# KiCad board Block.kicad_pcb
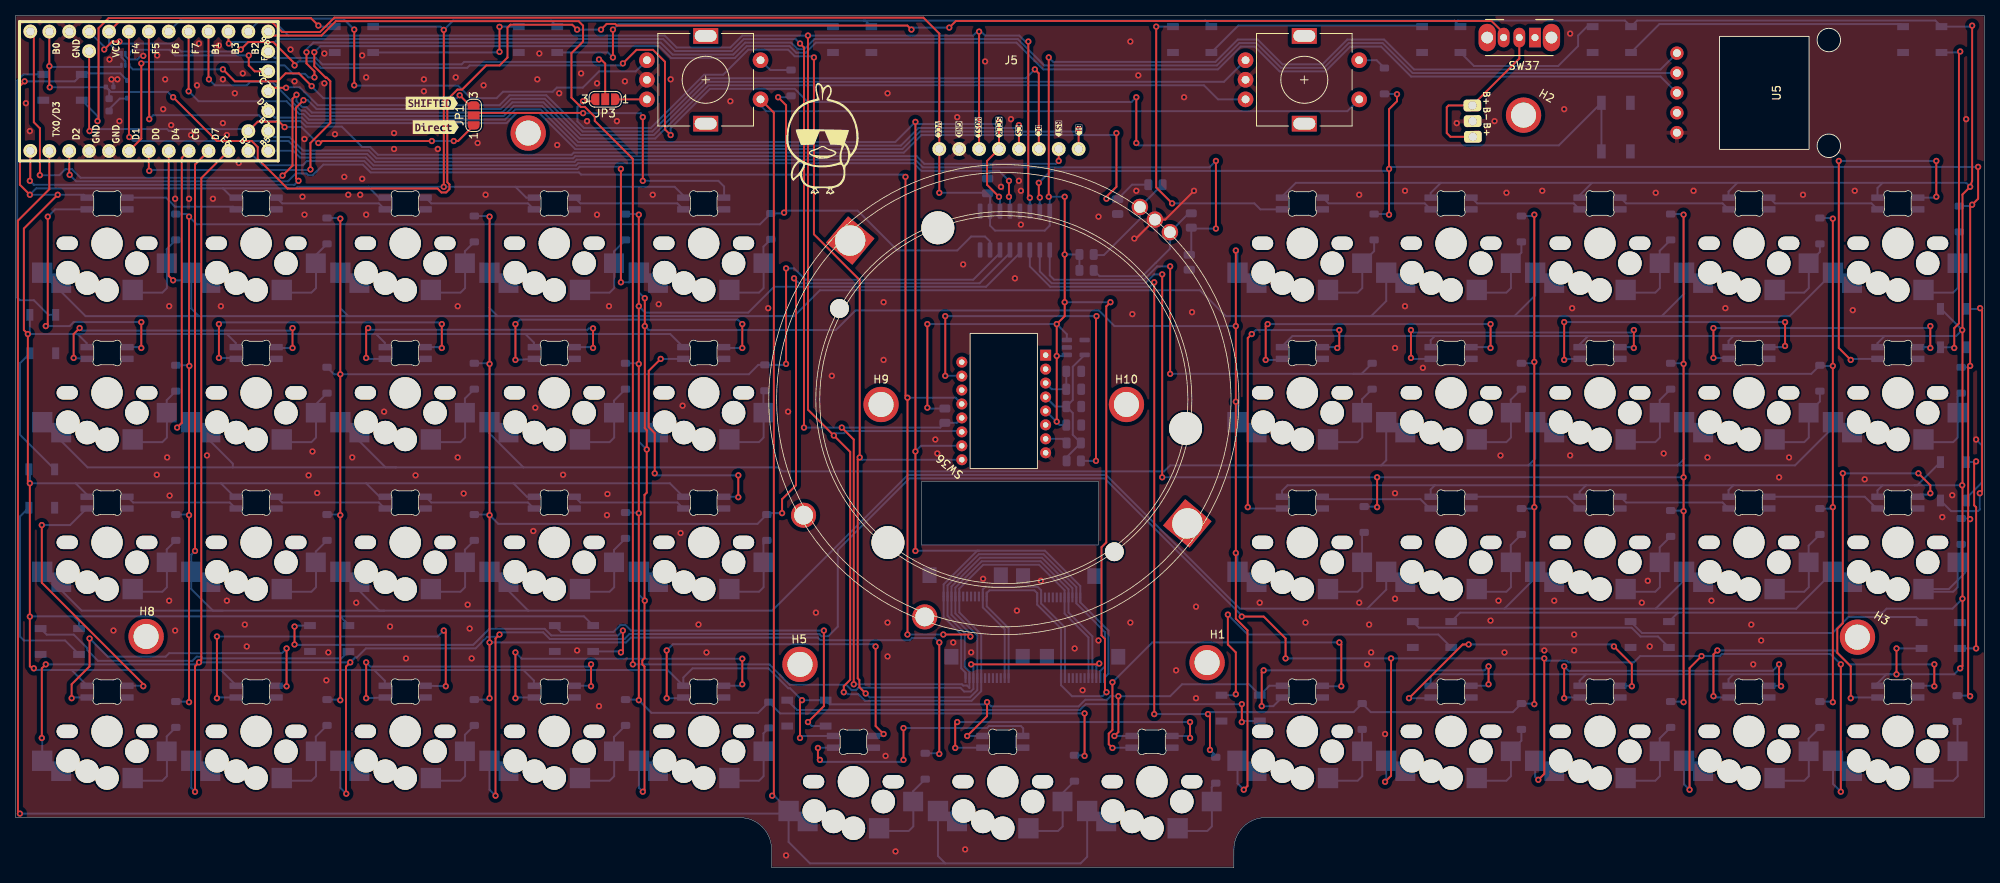
[diagram p0: board, top side]
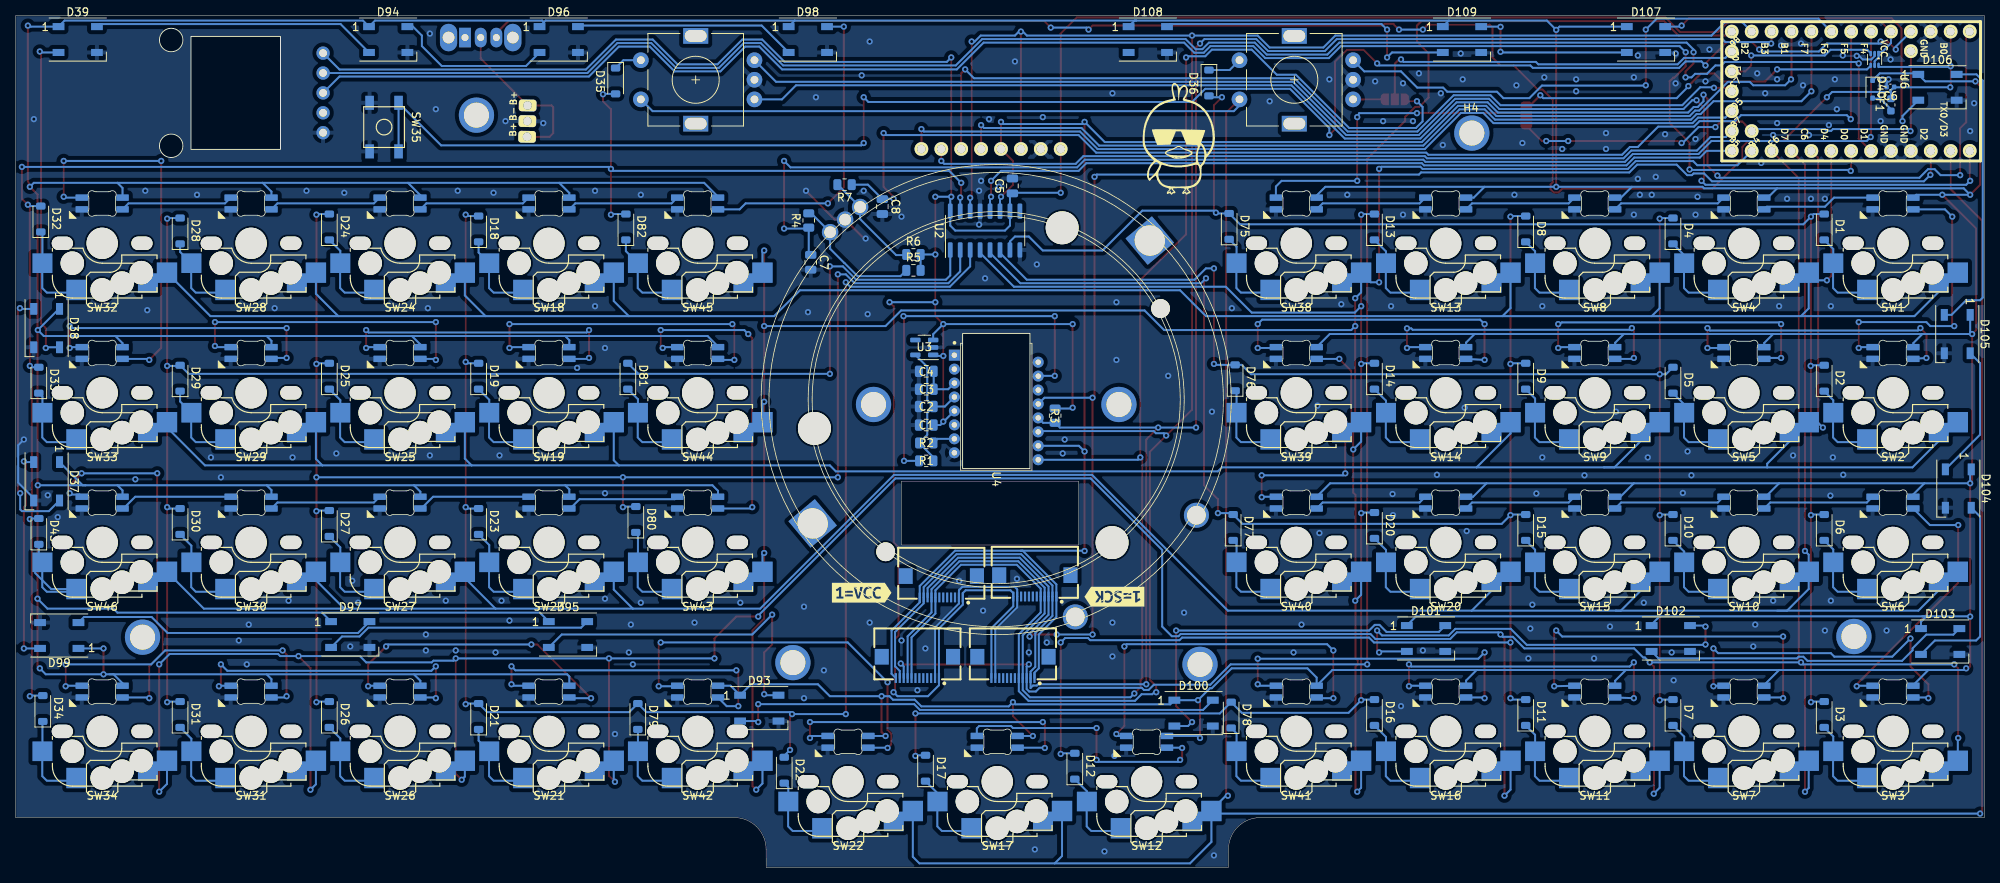
[diagram p1: board, bottom side, seen from below]

Outline 251.27 x 108.71 mm; copper layers: Top, Bottom. Coordinates in mm from the lower left corner of the outline.
Outline path: 0,108.71 251.27,108.71 251.27,6.35 159.54,6.35 arc(156.68,5.16) 155.49,2.29 155.48,0 96.48,0 96.47,2.29 arc(95.29,5.16) 92.42,6.35 0,6.35 0,108.71 ; 115.6,49.28 138.21,49.28 138.21,41.15 115.6,41.15 115.6,49.28
Stack: Top 0.035mm / dielectric 1.51mm FR4 er 4.5 / Bottom 0.035mm

## Placement (name value [footprint] x y rotation side)
C1  0.1uF  [C_0805_2012Metric]  135.05 56.46 0 bottom
C2  1uF  [C_0805_2012Metric]  135.05 58.82 0 bottom
C3  4.7uF  [C_0805_2012Metric]  135.05 61.03 0 bottom
C4  0.1uF  [C_0805_2012Metric]  135.05 63.31 180 bottom
C5  0.1uF  [C_0805_2012Metric]  124.05 86.98 90 bottom
C6  4u7  [C_0402_1005Metric]  11.99 99.61 0 bottom
C7  0.1uF  [C_0805_2012Metric]  149.79 77.23 270 bottom
C8  0.1uF  [C_0805_2012Metric]  140.65 84.35 270 bottom
D1  1N4148  [D_SOD-123-rotated]  20.46 81.79 270 bottom
D2  1N4148  [D_SOD-123-rotated]  20.46 62.48 270 bottom
D3  1N4148  [D_SOD-123-rotated]  20.46 19.56 270 bottom
D4  1N4148  [D_SOD-123-rotated]  39.76 81.28 270 bottom
D5  1N4148  [D_SOD-123-rotated]  39.76 62.23 270 bottom
D6  1N4148  [D_SOD-123-rotated]  20.46 43.43 270 bottom
D7  1N4148  [D_SOD-123-rotated]  39.76 19.81 270 bottom
D8  1N4148  [D_SOD-123-rotated]  58.56 81.53 270 bottom
D9  1N4148  [D_SOD-123-rotated]  58.56 62.74 270 bottom
D10  1N4148  [D_SOD-123-rotated]  39.76 43.43 270 bottom
D11  1N4148  [D_SOD-123-rotated]  58.56 19.81 270 bottom
D12  1N4148  [D_SOD-123-rotated]  116.11 12.95 270 bottom
D13  1N4148  [D_SOD-123-rotated]  77.86 81.79 270 bottom
D14  1N4148  [D_SOD-123-rotated]  77.86 62.74 270 bottom
D15  1N4148  [D_SOD-123-rotated]  58.56 43.43 270 bottom
D16  1N4148  [D_SOD-123-rotated]  77.86 19.81 270 bottom
D17  1N4148  [D_SOD-123-rotated]  135.16 12.7 270 bottom
D18  1N4148  [D_SOD-123-rotated]  192.2 81.53 270 bottom
D19  1N4148  [D_SOD-123-rotated]  192.2 62.74 270 bottom
D20  1N4148  [D_SOD-123-rotated]  77.86 43.69 270 bottom
D21  1N4148  [D_SOD-123-rotated]  192.2 19.3 270 bottom
D22  1N4148  [D_SOD-123-rotated]  153.19 12.45 270 bottom
D23  1N4148  [D_SOD-123-rotated]  192.2 44.2 270 bottom
D24  1N4148  [D_SOD-123-rotated]  211.25 81.79 270 bottom
D25  1N4148  [D_SOD-123-rotated]  211.25 62.74 270 bottom
D26  1N4148  [D_SOD-123-rotated]  211.25 19.56 270 bottom
D27  1N4148  [D_SOD-123-rotated]  211.25 43.94 270 bottom
D28  1N4148  [D_SOD-123-rotated]  230.3 81.28 270 bottom
D29  1N4148  [D_SOD-123-rotated]  230.3 62.48 270 bottom
D30  1N4148  [D_SOD-123-rotated]  230.3 44.2 270 bottom
D31  1N4148  [D_SOD-123-rotated]  230.3 19.56 270 bottom
D32  1N4148  [D_SOD-123-rotated]  248.08 82.8 270 bottom
D33  1N4148  [D_SOD-123-rotated]  248.34 62.23 270 bottom
D34  1N4148  [D_SOD-123-rotated]  247.83 20.32 270 bottom
D35  1N4148  [D_SOD-123-rotated]  174.68 100.33 90 bottom
D36  1N4148  [D_SOD-123-rotated]  98.94 100.08 90 bottom
D37  WS2812B  [LED_WS2812B_PLCC4_5.0x5.0mm_P3.2mm]  247.32 49.28 270 bottom
D38  WS2812B  [LED_WS2812B_PLCC4_5.0x5.0mm_P3.2mm]  247.32 68.83 270 bottom
D39  WS2812B  [LED_WS2812B_PLCC4_5.0x5.0mm_P3.2mm]  243.35 105.66 180 bottom
D40  B5817WS  [D_SOD-323]  14.26 99.31 270 bottom
D41  SK6812MINI-E  [MX_SK6812MINI-E_REV]  68.75 17.35 180 top
D42  SK6812MINI-E  [MX_SK6812MINI-E_REV]  202.22 41.47 180 top
D43  1N4148  [D_SOD-123-rotated]  248.34 42.93 270 bottom
D44  SK6812MINI-E  [MX_SK6812MINI-E_REV]  221.22 60.57 180 top
D45  SK6812MINI-E  [MX_SK6812MINI-E_REV]  183.21 17.35 180 top
D46  SK6812MINI-E  [MX_SK6812MINI-E_REV]  87.82 79.66 180 top
D47  SK6812MINI-E  [MX_SK6812MINI-E_REV]  30.69 60.57 180 top
D48  SK6812MINI-E  [MX_SK6812MINI-E_REV]  49.72 41.47 180 top
D49  SK6812MINI-E  [MX_SK6812MINI-E_REV]  183.21 41.47 180 top
D50  SK6812MINI-E  [MX_SK6812MINI-E_REV]  240.23 60.57 180 top
D51  SK6812MINI-E  [MX_SK6812MINI-E_REV]  202.22 17.35 180 top
D52  SK6812MINI-E  [MX_SK6812MINI-E_REV]  87.82 17.35 180 top
D53  SK6812MINI-E  [MX_SK6812MINI-E_REV]  68.75 79.66 180 top
D54  SK6812MINI-E  [MX_SK6812MINI-E_REV]  49.72 60.57 180 top
D55  SK6812MINI-E  [MX_SK6812MINI-E_REV]  30.69 41.47 180 top
D56  SK6812MINI-E  [MX_SK6812MINI-E_REV]  164.23 41.47 180 top
D57  SK6812MINI-E  [MX_SK6812MINI-E_REV]  240.23 79.66 180 top
D58  SK6812MINI-E  [MX_SK6812MINI-E_REV]  221.22 17.35 180 top
D59  SK6812MINI-E  [MX_SK6812MINI-E_REV]  106.93 10.94 180 top
D60  SK6812MINI-E  [MX_SK6812MINI-E_REV]  49.72 79.66 180 top
D61  SK6812MINI-E  [MX_SK6812MINI-E_REV]  68.75 60.57 180 top
D62  SK6812MINI-E  [MX_SK6812MINI-E_REV]  11.66 41.47 180 top
D63  SK6812MINI-E  [MX_SK6812MINI-E_REV]  164.23 60.57 180 top
D64  SK6812MINI-E  [MX_SK6812MINI-E_REV]  221.22 79.66 180 top
D65  SK6812MINI-E  [MX_SK6812MINI-E_REV]  240.23 17.35 180 top
D66  SK6812MINI-E  [MX_SK6812MINI-E_REV]  125.99 10.94 180 top
D67  SK6812MINI-E  [MX_SK6812MINI-E_REV]  30.69 79.66 180 top
D68  SK6812MINI-E  [MX_SK6812MINI-E_REV]  87.82 60.57 180 top
D69  SK6812MINI-E  [MX_SK6812MINI-E_REV]  11.66 17.35 180 top
D70  SK6812MINI-E  [MX_SK6812MINI-E_REV]  183.21 60.57 180 top
D71  SK6812MINI-E  [MX_SK6812MINI-E_REV]  202.22 79.66 180 top
D72  SK6812MINI-E  [MX_SK6812MINI-E_REV]  240.23 41.47 180 top
D73  SK6812MINI-E  [MX_SK6812MINI-E_REV]  145.04 10.94 180 top
D74  SK6812MINI-E  [MX_SK6812MINI-E_REV]  11.66 79.66 180 top
D75  1N4148  [D_SOD-123-rotated]  96.41 81.87 270 bottom
D76  1N4148  [D_SOD-123-rotated]  95.64 62.54 270 bottom
D77  1N4148  [D_SOD-123-rotated]  95.9 43.43 270 bottom
D78  1N4148  [D_SOD-123-rotated]  96.15 19.49 270 bottom
D79  1N4148  [D_SOD-123-rotated]  171.88 19.3 270 bottom
D80  1N4148  [D_SOD-123-rotated]  172.14 44.45 270 bottom
D81  1N4148  [D_SOD-123-rotated]  173.15 62.74 270 bottom
D82  1N4148  [D_SOD-123-rotated]  173.41 81.79 270 bottom
D83  SK6812MINI-E  [MX_SK6812MINI-E_REV]  87.82 41.47 180 top
D84  SK6812MINI-E  [MX_SK6812MINI-E_REV]  30.69 17.35 180 top
D85  SK6812MINI-E  [MX_SK6812MINI-E_REV]  49.72 17.35 180 top
D86  SK6812MINI-E  [MX_SK6812MINI-E_REV]  202.22 60.57 180 top
D87  SK6812MINI-E  [MX_SK6812MINI-E_REV]  183.21 79.66 180 top
D88  SK6812MINI-E  [MX_SK6812MINI-E_REV]  221.22 41.47 180 top
D89  SK6812MINI-E  [MX_SK6812MINI-E_REV]  164.23 17.35 180 top
D90  SK6812MINI-E  [MX_SK6812MINI-E_REV]  11.66 60.57 180 top
D91  SK6812MINI-E  [MX_SK6812MINI-E_REV]  68.75 41.47 180 top
D92  SK6812MINI-E  [MX_SK6812MINI-E_REV]  164.23 79.66 180 top
D93  WS2812B  [LED_WS2812B_PLCC4_5.0x5.0mm_P3.2mm]  156.36 20.32 180 bottom
D94  WS2812B  [LED_WS2812B_PLCC4_5.0x5.0mm_P3.2mm]  203.72 105.66 180 bottom
D95  WS2812B  [LED_WS2812B_PLCC4_5.0x5.0mm_P3.2mm]  180.77 29.72 180 bottom
D96  WS2812B  [LED_WS2812B_PLCC4_5.0x5.0mm_P3.2mm]  181.95 105.66 180 bottom
D97  WS2812B  [LED_WS2812B_PLCC4_5.0x5.0mm_P3.2mm]  208.57 29.72 180 bottom
D98  WS2812B  [LED_WS2812B_PLCC4_5.0x5.0mm_P3.2mm]  150.16 105.66 180 bottom
D99  WS2812B  [LED_WS2812B_PLCC4_5.0x5.0mm_P3.2mm]  245.71 29.59 0 bottom
D100  WS2812B  [LED_WS2812B_PLCC4_5.0x5.0mm_P3.2mm]  100.93 19.68 180 bottom
D101  WS2812B  [LED_WS2812B_PLCC4_5.0x5.0mm_P3.2mm]  71.26 29.21 180 bottom
D102  WS2812B  [LED_WS2812B_PLCC4_5.0x5.0mm_P3.2mm]  40.02 29.21 180 bottom
D103  WS2812B  [LED_WS2812B_PLCC4_5.0x5.0mm_P3.2mm]  5.64 28.83 180 bottom
D104  WS2812B  [LED_WS2812B_PLCC4_5.0x5.0mm_P3.2mm]  3.32 48.35 270 bottom
D105  WS2812B  [LED_WS2812B_PLCC4_5.0x5.0mm_P3.2mm]  3.46 68.07 270 bottom
D106  WS2812B  [LED_WS2812B_PLCC4_5.0x5.0mm_P3.2mm]  5.98 99.57 180 bottom
D107  WS2812B  [LED_WS2812B_PLCC4_5.0x5.0mm_P3.2mm]  43.18 105.66 180 bottom
D108  WS2812B  [LED_WS2812B_PLCC4_5.0x5.0mm_P3.2mm]  106.77 105.66 180 bottom
D109  WS2812B  [LED_WS2812B_PLCC4_5.0x5.0mm_P3.2mm]  66.67 105.66 180 bottom
F1  500mA  [Fuse_0603_1608Metric]  11.93 97.32 90 bottom
G1  -  [LOGO]  102.9 91.69 0 top
G***  -  [LOGO]  102.9 91.69 180 bottom
H1  MountingHole_Pad  [MountingHole_M3]  152.07 26.13 1 top
H2  MountingHole_Pad  [MountingHole_M3]  192.46 96.01 331 top
H3  MountingHole_Pad  [MountingHole_M3#2]  235.13 29.46 329 top
H4  MountingHole_Pad  [MountingHole_M3]  65.42 93.73 358 top
H5  MountingHole_Pad  [MountingHole_M3]  100.11 25.91 2 top
H8  MountingHole_Pad  [MountingHole_M3]  16.65 29.46 358 top
H9  MountingHole_Pad  [MountingHole_M3]  110.46 59.08 0 top
H10  MountingHole_Pad  [MountingHole_M3]  141.78 59.08 0 top
J1  Conn_01x12_Female  [FPC-SMD_FPC05012-09200-.5mm-rev]  133.13 35.81 0 bottom
J2  Conn_01x12_Female  [FPC-SMD_FPC05012-09200-.5mm-rev]  121.19 35.93 0 bottom
J3  Conn_01x12_Female  [FPC-SMD_FPC05012-09200-.5mm-rev]  136.18 25.52 0 bottom
J4  Conn_01x08_Female  [3JST_BAT]  185.96 95.25 91 top
J5  Conn_01x08_Female  [Screen Dupont]  126.98 91.98 0 top
J6  Conn_01x12_Female  [FPC-SMD_FPC05012-09200-.5mm-rev]  123.98 25.52 0 bottom
JP1  SolderJumper_3_Open  [SolderJumper-3_P1.3mm_Open_RoundedPad1.0x1.5mm_NumberLabels]  58.45 95.98 90 top
JP3  SolderJumper_3_Open  [SolderJumper-3_P1.3mm_Open_RoundedPad1.0x1.5mm_NumberLabels]  75.25 98.04 180 top
kibuzzard-63B827BA  G***  [kibuzzard-63B827BA]  53.12 97.54 0 top
kibuzzard-63B8279E  G***  [kibuzzard-63B8279E]  53.63 94.49 0 top
kibuzzard-638CDE9C  G***  [kibuzzard-638CDE9C]  143.29 35.05 180 bottom
kibuzzard-638CDF14  G***  [kibuzzard-638CDF14]  111.03 34.54 0 bottom
R1  39  [R_0805_2012Metric]  135.05 51.88 0 bottom
R2  10K  [R_0805_2012Metric]  135.05 54.17 0 bottom
R3  10K  [R_0805_2012Metric]  118.6 57.65 90 bottom
R4  10K  [R_0805_2012Metric]  150.05 82.57 90 bottom
R5  10K  [R_0805_2012Metric]  136.68 76.2 180 bottom
R6  10K  [R_0805_2012Metric]  136.68 78.23 180 bottom
R7  10K  [R_0805_2012Metric]  145.48 87.14 0 bottom
SW1  SW_Push  [Kailh_hotswap_only_MX-CHOC]  11.66 79.66 180 top
SW2  SW_Push  [Kailh_hotswap_only_MX-CHOC]  11.66 60.57 180 top
SW3  SW_Push  [Kailh_hotswap_only_MX-CHOC]  11.66 17.35 180 top
SW4  SW_Push  [Kailh_hotswap_only_MX-CHOC]  30.69 79.66 180 top
SW5  SW_Push  [Kailh_hotswap_only_MX-CHOC]  30.69 60.57 180 top
SW6  SW_Push  [Kailh_hotswap_only_MX-CHOC]  11.66 41.47 180 top
SW7  SW_Push  [Kailh_hotswap_only_MX-CHOC]  30.69 17.35 180 top
SW8  SW_Push  [Kailh_hotswap_only_MX-CHOC]  49.72 79.66 180 top
SW9  SW_Push  [Kailh_hotswap_only_MX-CHOC]  49.72 60.57 180 top
SW10  SW_Push  [Kailh_hotswap_only_MX-CHOC]  30.69 41.47 180 top
SW11  SW_Push  [Kailh_hotswap_only_MX-CHOC]  49.72 17.35 180 top
SW12  SW_Push  [Kailh_hotswap_only_MX-CHOC]  106.93 10.94 180 top
SW13  SW_Push  [Kailh_hotswap_only_MX-CHOC]  68.75 79.66 180 top
SW14  SW_Push  [Kailh_hotswap_only_MX-CHOC]  68.75 60.57 180 top
SW15  SW_Push  [Kailh_hotswap_only_MX-CHOC]  49.72 41.47 180 top
SW16  SW_Push  [Kailh_hotswap_only_MX-CHOC]  68.75 17.35 180 top
SW17  SW_Push  [Kailh_hotswap_only_MX-CHOC]  125.99 10.94 180 top
SW18  SW_Push  [Kailh_hotswap_only_MX-CHOC]  183.21 79.66 180 top
SW19  SW_Push  [Kailh_hotswap_only_MX-CHOC]  183.21 60.57 180 top
SW20  SW_Push  [Kailh_hotswap_only_MX-CHOC]  68.75 41.47 180 top
SW21  SW_Push  [Kailh_hotswap_only_MX-CHOC]  183.21 17.35 180 top
SW22  SW_Push  [Kailh_hotswap_only_MX-CHOC]  145.04 10.94 180 top
SW23  SW_Push  [Kailh_hotswap_only_MX-CHOC]  183.21 41.47 180 top
SW24  SW_Push  [Kailh_hotswap_only_MX-CHOC]  202.22 79.66 180 top
SW25  SW_Push  [Kailh_hotswap_only_MX-CHOC]  202.22 60.57 180 top
SW26  SW_Push  [Kailh_hotswap_only_MX-CHOC]  202.22 17.35 180 top
SW27  SW_Push  [Kailh_hotswap_only_MX-CHOC]  202.22 41.47 180 top
SW28  SW_Push  [Kailh_hotswap_only_MX-CHOC]  221.22 79.66 180 top
SW29  SW_Push  [Kailh_hotswap_only_MX-CHOC]  221.22 60.57 180 top
SW30  SW_Push  [Kailh_hotswap_only_MX-CHOC]  221.22 41.47 180 top
SW31  SW_Push  [Kailh_hotswap_only_MX-CHOC]  221.22 17.35 180 top
SW32  SW_Push  [Kailh_hotswap_only_MX-CHOC]  240.23 79.66 180 top
SW33  SW_Push  [Kailh_hotswap_only_MX-CHOC]  240.23 60.57 180 top
SW34  SW_Push  [Kailh_hotswap_only_MX-CHOC]  240.23 17.35 180 top
SW35  SW_Push  [SKQG-1155865]  204.25 94.49 90 bottom
SW36  RotaryEncoder  [PERS56v2]  126.12 59.7 140 top
SW37  SW_SPDT  [SW_CuK_OS102011MA1QN1_SPDT_Angled]  193.92 105.92 180 top
SW38  SW_Push  [Kailh_hotswap_only_MX-CHOC]  87.82 79.66 180 top
SW39  SW_Push  [Kailh_hotswap_only_MX-CHOC]  87.82 60.58 180 top
SW40  SW_Push  [Kailh_hotswap_only_MX-CHOC]  87.82 41.48 180 top
SW41  SW_Push  [Kailh_hotswap_only_MX-CHOC]  87.82 17.36 180 top
SW42  SW_Push  [Kailh_hotswap_only_MX-CHOC]  164.23 17.35 180 top
SW43  SW_Push  [Kailh_hotswap_only_MX-CHOC]  164.23 41.47 180 top
SW44  SW_Push  [Kailh_hotswap_only_MX-CHOC]  164.23 60.57 180 top
SW45  SW_Push  [Kailh_hotswap_only_MX-CHOC]  164.23 79.66 180 top
SW46  SW_Push  [Kailh_hotswap_only_MX-CHOC]  240.23 41.47 180 top
SW47  Rotary_Encoder_Switch  [RotaryEncoder_Alps_EC11E-Switch_Vertical_H20mm-keebio_modified]  164.48 100.53 0 top
SW48  Rotary_Encoder_Switch  [RotaryEncoder_Alps_EC11E-Switch_Vertical_H20mm-keebio_modified]  88.07 100.53 0 top
U1  Elite-C  [Helios-SeaPicro]  18.27 99.06 0 top
U2  74HC595  [SOIC-16_3.9x9.9mm_P1.27mm]  127.54 81.28 90 bottom
U3  TCR2EF19,LM(CT  [SOT-23-5]  135.3 66.36 0 bottom
U4  -  [PMW3360DM-T2QU]  126.11 59.72 270 bottom
U5  DRV2605L  [Pimoroni Haptic Buzz DRV2605L Driver]  222.43 98.85 270 top
U6  74LVC1T45  [SOT-563]  14 103.12 270 bottom

## Library data of the parts
C1 C4 C5 C7 C8 = -: Description: Unpolarized capacitor; LCSC: C77456; manf#: 0805B104K101CT
C2 = -: Description: Unpolarized capacitor; LCSC: C366879; manf#: 0805B105K100CT
C3 = -: Description: Unpolarized capacitor; LCSC: C303940; manf#: 0805X475K250CT
C6 = -: Description: Unpolarized capacitor; JLC Basic: Y; LCSC: C23733; MPN : CL05A475MP5NRNC; Manufacturer: Samsung Electro-Mechanics; Substitute: Y
D1-D34 D43 D75-D82 = -: Description: 100V 0.15A standard switching diode, DO-35; LCSC: C8598
D35 D36 = -: Description: 100V 0.15A standard switching diode, DO-35; LCSC: C8598; MPN : B5819W SL; Package: SOD-123
D37-D39 D93-D109 = -: Description: RGB LED with integrated controller; LCSC: C2843785; MPN : XL-5050RGBC-WS2812B; Package: SMD5050
D40 = -: Description: Schottky diode; JLC Basic: N; LCSC: C122854; Manufacturer: Shikues; Substitute: N
D41 D42 D44-D74 D83-D92 = -: Description: Reverse-mount RGB LED with integrated controller; Field4: 1
F1 = -: Description: Resettable fuse, polymeric positive temperature coefficient, small symbol; JLC Basic: N; LCSC: C210357; MPN : MF-FSMF050X-2; Manufacturer: BOURNS; Substitute: Y
H1-H5 H8-H10 = -: Description: Mounting Hole without connection
J1-J3 J6 = -: Description: Generic connector, single row, 01x12, script generated (kicad-library-utils/schlib/autogen/connector/); LCSC: C479750
J4 = -: Description: Generic connector, single row, 01x03, script generated (kicad-library-utils/schlib/autogen/connector/)
J5 = -: Description: Generic connector, single row, 01x08, script generated (kicad-library-utils/schlib/autogen/connector/)
JP1 JP3 = -: Description: Solder Jumper, 3-pole, open
R1 = -: Description: Resistor; LCSC: C514993; manf#: SG73P2ATTD39R0F
R2-R7 = -: Description: Resistor; LCSC: C406725; manf#: ARG05BTC1002
SW1-SW34 SW38-SW46 = -: Description: Push button switch, generic, two pins
SW35 = -: Description: Push button switch, generic, two pins; LCSC: C221856
SW36 = -: Description: Rotary encoder, dual channel, incremental quadrate outputs
SW37 = -: Description: Switch, single pole double throw; LCSC(not included): C226259
U2 = -: Description: 8-bit serial in/out Shift Register 3-State Outputs; LCSC: C10092
U3 = -: Description: 200mA Low Dropout Voltage Regulator, Fixed Output 1.9V, SOT-23-5; LCSC: C146366
U4 = -: Description: High-end gaming integrated chip in 16-pin molded lead-frame DIP package
U6 = -: Description: Single-Bit Dual-Supply Bus Transceiver With Configurable Voltage Translation and 3-State Outputs, SOT-563; JLC Basic: N; LCSC: C352970; MPN : SN74LVC1T45DRLR; Manufacturer: Texas Instruments; Substitute: N

## Footprints (pads in the part's own frame, mm; a bottom-side part is the same pattern mirrored in y, then rotated)
3JST_BAT
  rrect 1.5x2.25 hole 1.092: 1(2,0) 2(0,0) 3(-2,0)
C_0402_1005Metric
  rrect 0.56x0.62 smd: 1(-0.48,0) 2(0.48,0)
C_0805_2012Metric
  rrect 1x1.45 smd: 1(-0.95,0) 2(0.95,0)
D_SOD-123-rotated
  rrect 0.9x1.2 smd: 1(1.697,0.021) 2(-1.603,0.021)
D_SOD-323
  rrect 0.65x0.6 smd: 1(-1.125,0) 2(1.125,0)
FPC-SMD_FPC05012-09200-.5mm-rev
  rect 0.28x1.25 smd: 1(-2.75,1.362) 2(-2.25,1.362) 3(-1.75,1.362) 4(-1.25,1.362) 5(-0.75,1.362) 6(-0.25,1.362) 7(0.25,1.362) 8(0.75,1.362) 9(1.25,1.362) 10(1.75,1.362) 11(2.25,1.362) 12(2.75,1.362)
  rect 1.8x2 smd: 13(4.55,-1.362) 14(-4.55,-1.362)
Fuse_0603_1608Metric
  rrect 0.875x0.95 smd: 1(-0.787,0) 2(0.787,0)
Helios-SeaPicro
  round 1.753 hole 1.092: 1(-13.97,-7.62) 2(-11.43,-7.62) 3(-8.89,-7.62) 4(-6.35,-7.62) 5(-3.81,-7.62) 6(-1.27,-7.62) 7(1.27,-7.62) 8(3.81,-7.62) 9(6.35,-7.62) 10(8.89,-7.62) 11(11.43,-7.62) 12(13.97,-7.6) 13(13.97,7.62) 14(11.43,7.62) 15(8.89,7.62) 16(6.35,7.62) 17(3.81,7.62) 18(1.27,7.62) 19(-1.27,7.62) 20(-3.81,7.62) 21(-6.35,7.62) 22(-8.89,7.62) 23(-11.43,7.62) 24(-13.97,7.62) 25(13.97,-5.08) 26(13.97,-2.54) 27(13.97,0) 28(13.97,2.54) 29(13.97,5.08) 30(-8.89,5.12) 30(11.43,-5.08) 31(-16.4,-7.6) 32(-16.4,7.64)
Kailh_hotswap_only_MX-CHOC
  oval 2.702x1.702 hole 2.702x1.702 unplated: (-5.08,0.004) (5.08,0)
  round 3 hole 3 unplated: (-3.81,2.54) (0.002,5.953) (2.54,5.08) (5,3.75)
  round 3.988 hole 3.988 unplated: (0.002,0.003)
  rect 2.55x2.5 smd far side: 1(5.844,5.083) 2(-7.62,2.54)
  rect 2.6x2.6 smd far side: 1(8.275,3.75) 2(-3.273,5.953)
  rrect 1x0.25 smd far side rot 45: 2(-8.343,5.558)
  rect 0.25x4 smd far side: 2(-8.026,2.73)
  rect 3x0.25 smd far side: 2(-6.6,6.68)
LED_WS2812B_PLCC4_5.0x5.0mm_P3.2mm
  rect 1.5x0.9 smd: 1(-2.45,1.65) 2(-2.45,-1.65) 3(2.45,-1.65) 4(2.45,1.65)
MountingHole_M3
  round 4.5 hole 3.2: 1(0,0)
MountingHole_M3#2
  round 4.5 hole 3.2: 1(0,-0.1)
MX_SK6812MINI-E_REV
  rrect 1.6x0.82 smd far side: 1(2.6,-5.83) 2(2.6,-4.33) 3(-2.6,-4.33) 4(-2.6,-5.83)
PERS56v2
  round 2.4 hole 2.4 unplated: (-23.29,5.806) (23.544,4.573)
  round 4.2 hole 4.2 unplated: (-20.135,-12.098) (-0.4,23.485) (20.549,-11.39)
  round 3.2 hole 2.4: (-10.094,27.733) (10.092,27.733)
  round 2.1 hole 1.5: A(-2.5,-30) B(2.5,-30) C(0,-30)
  rect 4.4x4.4 hole 3.8x3.9: MP(-28.095,-2.953) MP(28.071,-2.951)
Pimoroni Haptic Buzz DRV2605L Driver
  round 1.7 hole 1: 1(-5.08,-10.4)
  oval 1.7x1.7 hole 1: 2(-2.54,-10.4) 3(0,-10.4) 4(2.54,-10.4) 5(5.08,-10.4)
PMW3360DM-T2QU
  rect 1.4x1.4 hole 0.7: 1(-5.66,-5.35)
  round 1.4 hole 0.7: 2(-3.88,-5.35) 3(-2.1,-5.35) 4(-0.32,-5.35) 5(1.46,-5.35) 6(3.24,-5.35) 7(5.02,-5.35) 8(6.8,-5.35) 9(7.69,5.35) 10(5.91,5.35) 11(4.13,5.35) 12(2.35,5.35) 13(0.57,5.35) 14(-1.21,5.35) 15(-2.99,5.35) 16(-4.77,5.35)
R_0805_2012Metric
  rrect 1.025x1.4 smd: 1(-0.912,0) 2(0.912,0)
RotaryEncoder_Alps_EC11E-Switch_Vertical_H20mm-keebio_modified
  round 2 hole 1: A(-7.5,2.5) B(-7.5,-2.5) C(-7.5,0) S1(7,-2.5) S2(7,2.5)
  rect 3.2x2 hole 2.8x1.5: MP(0,5.6) MP(0,-5.6)
Screen Dupont
  round 1.753 hole 1.092: 1(-9.095,-0.288) 2(-6.555,-0.288) 3(-4.015,-0.288) 4(-1.475,-0.288) 5(1.065,-0.288) 6(3.605,-0.288) 7(6.145,-0.288) 8(8.685,-0.288)
SKQG-1155865
  rect 1.8x1.1 smd: 1(-3.1,-1.85) 1(3.1,-1.85) 2(-3.1,1.85) 2(3.1,1.85)
SOIC-16_3.9x9.9mm_P1.27mm
  rrect 1.95x0.6 smd: 1(-2.475,4.445) 2(-2.475,3.175) 3(-2.475,1.905) 4(-2.475,0.635) 5(-2.475,-0.635) 6(-2.475,-1.905) 7(-2.475,-3.175) 8(-2.475,-4.445) 9(2.475,-4.445) 10(2.475,-3.175) 11(2.475,-1.905) 12(2.475,-0.635) 13(2.475,0.635) 14(2.475,1.905) 15(2.475,3.175) 16(2.475,4.445)
SolderJumper-3_P1.3mm_Open_RoundedPad1.0x1.5mm_NumberLabels
  custom 1.05x1.5 smd: 1(-1.3,0) 3(1.3,0)
  rect 1x1.5 smd: 2(0,0)
SOT-23-5
  rrect 1.325x0.6 smd: 1(-1.137,0.95) 2(-1.137,0) 3(-1.137,-0.95) 4(1.137,-0.95) 5(1.137,0.95)
SOT-563
  rrect 0.7x0.34 smd: 1(-0.75,0.5)
  oval 0.7x0.34 smd: 2(-0.75,0) 3(-0.75,-0.5) 4(0.75,-0.5) 5(0.75,0) 6(0.75,0.5)
SW_CuK_OS102011MA1QN1_SPDT_Angled
  oval 2.2x3.5 hole 1.5: (-2.1,0) (6.1,0)
  rect 1.5x2.5 hole 0.9: 1(0,0)
  oval 1.5x2.5 hole 0.9: 2(2,0) 3(4,0)
